# Altium PCB F407.PcbDoc (part 2 of 2)
Units mil, origin at the board's own origin, x right, y up, seen from the top; angles counter-clockwise.
Board outline 2695.03 x 3942.04 mil, 2 copper layers (Top Layer, Bottom Layer); 101 components, 150 nets, 633 pads, 413 vias.
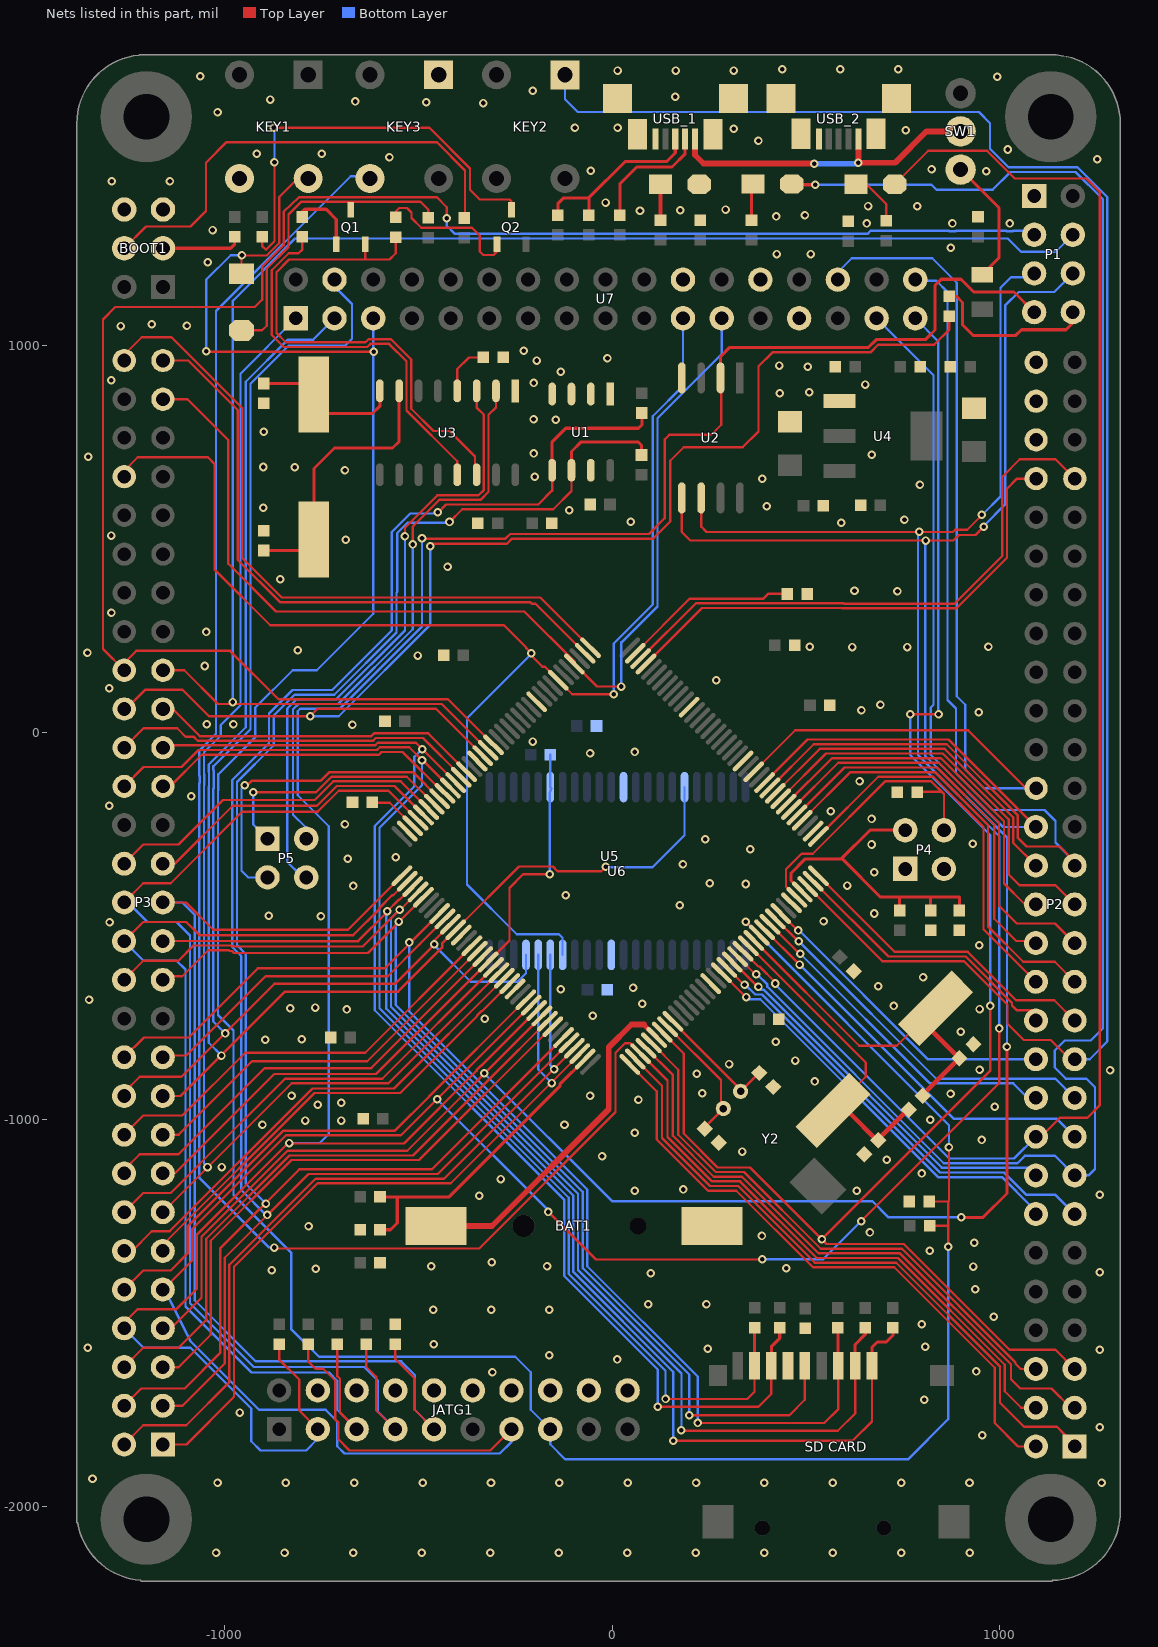
[diagram p2: the nets of this part, all layers, seen from the top]

## Via types
v1: diameter 22, hole 12, Top Layer to Bottom Layer, tented both sides, 413 vias

## Nets (pads, with @x,y where several pads share a name; then routed paths per layer and width w, separated by ;. In a path a pad name is that pad's centre, name@x,y a point inside that pad or via, vN(x,y) a via of type N, cw(c..) or ccw(c..) an arc to the next point about the centre after c; other vN are vias at no path point) (continued)
FSMC_D15: P3.52 U5.79 U6.38 U7.21 | length 3781.3
  Top Layer w6: P3.52@-1260,660 -1260,675 -1225,710 -1043.97,710 -1027,693.03 -1027,420.18 -882.82,276 -279.43,276 -222,218.57 -222,217.15 v1(-208.85,204) -208.85,197.97 -180.28,169.4 -174.26,169.4 U5.79@-139.27,134.41 -102.85,98 v1(4,98)
  Bottom Layer w6: P3.52@-1260,660 P3.52@-1260,671 ; v1(-208.85,204) -208.85,202.25 -374.83,36.28 -374.83,-393.26 -246.09,-522 -137,-522 -127.95,-531.05 U6.38@-127.95,-575 ; v1(4,98) 4,228.97 105,329.97 105,815.97 183,893.97 U7.21@183,1069
FSMC_NBL0: P3.2 U5.141 U6.39 | length 2063.2
  Top Layer w6: P3.2@-1260.43,-1839.58 -1210.85,-1790 -1100,-1790 -988.43,-1678.42 -988.43,-1375.45 -765.97,-1153 -434.34,-1153 U5.141@-97.51,-816.17
  Bottom Layer w6: U6.39@-159.45,-575 -159.45,-860.55 v1(-150,-870)
FSMC_NBL1: P3.1 U5.142 U6.40 | length 2038.3
  Top Layer w6: P3.1@-1160.43,-1839.58 -1099.57,-1839.58 -976.43,-1716.42 -976.43,-1380.42 -761,-1165 -416.72,-1165 -83.59,-831.87 U5.142@-83.59,-830.09
  Bottom Layer w6: U6.40@-190.94,-575 -190.94,-871.06 v1(-156,-906)
FSMC_NE3: P3.15 R10.1 U5.125 U6.6 | length 1713.4
  Top Layer w6: P3.15@-1160.43,-1139.57 -1129.57,-1139.57 -872.77,-882.77 -609.52,-882.77 U5.125@-320.22,-593.46 -265,-538.24 -265,-402 -230,-367 v1(-161,-367)
  Bottom Layer w6: v1(-161,-367) -161,-154.38 -158,-151.38 -160,-149.38 -156,-145.38 U6.6@-159.45,-141.93 U6.6@-159.45,-141.93 R10.1@-159.41,-58
FSMC_NE4: P3.13 U5.127 U7.1 | length 3418.9
  Top Layer w6: P3.13@-1160.43,-1239.58 -827.62,-906.77 -577.85,-906.77 U5.127@-292.38,-621.3
  Bottom Layer w6: v1(-1045,-1123) -1054,-1114 -1054,-136.25 -1053,-135.25 -1053,-108.75 -1054,-107.75 -1054,-51.95 -1011,-8.95 -1011,18.72 -960,69.72 -960,926 U7.1@-817,1069
FSMC_NOE: P3.20 U5.118 U6.41 U7.4 | length 3579
  Top Layer w6: P3.20@-1260.43,-939.57 -1260.43,-930.43 -1220,-890 -1112.34,-890 -872.34,-650 -561,-650 v1(-459,-548) -459,-537.37 U5.118@-417.66,-496.03
  Bottom Layer w6: v1(-999,-778) -1030,-747 -1030,-146.2 -1029,-145.2 -1029,-98.8 -1030,-97.8 -1030,-88.25 -934,7.75 -934,68.05 -934,900.03 -835.03,999 -689,999 -672,1016 -672,1106 -717,1151 U7.4@-717,1169 ; v1@-456,-553.63 -365.06,-644.57 -244.57,-644.57 -222.44,-622.44 U6.41@-222.44,-575
FSMC_NWE: P3.19 U5.119 U6.17 U7.3 | length 3866.9
  Top Layer w6: P3.19@-1160.43,-939.57 -1114.57,-939.57 -845,-670 -552.72,-670 -439,-556.28 -439,-545.97 -405.66,-512.63 -405.66,-512.31 -403.74,-510.39 U5.119@-403.74,-509.94 -240.79,-347 -152.72,-347 -140.72,-359 -28,-359 v1(-16,-347) -16,-344 v1@-17,-343
  Bottom Layer w6: v1(-1009,-835) -1042,-802 -1042,-141.23 -1041,-140.23 -1041,-103.77 -1042,-102.77 -1042,-83.28 -946,12.72 -946,905 -837,1014 -772,1014 U7.3@-717,1069 ; v1@-17,-343 -11,-349 104,-349 187.01,-265.99 U6.17@187.01,-141.93
GND: "SD CARD.6" BAT1.2 BOOT1.5 BOOT1.6 C1.1 C2.1 C3.1 C4.1 C5.1 C6.1 C7.2 C8.2 C9.2 C10.2 C11.2 C12.2 C13.1 C14.1 C15.1 C16.1 C17.1 C18.1 C19.2 C20.2 C21.1 C22.2 C23.2 C24.1 C25.1 C26.2 C27.2 C28.2 C29.2 C31.2 C32.2 C34.2 C35.2 C36.2 C37.2 C38.2 C39.2 C40.2 D2.2 JATG1.4 JATG1.6 JATG1.8 JATG1.10 JATG1.12 JATG1.14 JATG1.16 JATG1.18 JATG1.20 KEY1.3 KEY3.1 P1.1 P2.54 P2.56 P2.58 P4.1 P4.3 R24.1 R27.2 U1.1 U1.2 U1.3 U1.4 U1.7 U2.4 U3.1 U4.1 U5.16 U5.31 U5.38 U5.51 U5.61 U5.83 U5.94 U5.107 U5.120 U5.130 U6.12 U6.34 U7.22 U7.26 U7.27 USB_1.5 USB_2.5 | length 4
  Top Layer w6: C25.1@-670.59,-171.82 C25.1@-668.07,-174.34 ; U5.83@-195.39,78.74 U5.83@-194.94,78.74
  other v1: -1023,-2119 -846,-2119 -669,-2119 -492,-2119 -315,-2119 -138,-2119 39,-2119 216,-2119 393,-2119 570,-2119 747,-2119 924,-2119 -1019,-1938 -842.45,-1938 -665.91,-1938 -489.36,-1938 -312.82,-1938 -136.27,-1938 40.27,-1938 216.82,-1938 393.36,-1938 569.91,-1938 746.45,-1938 923,-1938 1264,-1938 -1342,-1928 956,-1816 1259,-1795 -962,-1757 806,-1724 -309,-1653 940,-1651 13,-1620 -162,-1609 1259,-1595 247,-1592 -1354,-1590 809,-1587 -461,-1581 800,-1529.41 986,-1510 -462,-1492 -312,-1492 -162,-1492 93.72,-1477.74 243.72,-1477.74 938,-1439 100,-1397 1259,-1395 -879,-1390 -765,-1386 450,-1384 933,-1380 -467,-1379 -168,-1379 -311,-1369 820,-1339 935,-1319 387,-1301 666,-1292 -784,-1276 -343,-1197 1259,-1195 58,-1184 632,-1184 184,-1181 -288,-1154 800,-1139.57 -1008,-1123 709,-1104 -26,-1095 336,-1083 955,-1053 58,-1034 -903,-1014 -123,-1014 -793,-1003 -700,-1003 822,-1001 988,-967 -760,-962 -700,-957 68,-949 -828,-939 -57,-939 874,-934 233,-932 523,-902 219,-882 1286,-873 949,-872 302,-857 473,-848 423,-799 -896,-794 -802,-793 900,-774 -329,-740 -50,-732 -685,-716 949,-715 -831,-713 -767,-711 727,-707 78,-701 -1351,-690.9 -133,-664 54,-660 687,-656 803,-633 948,-550 -1298,-491 546,-488 -752,-475 -887,-474 677,-468.19 175,-447 -120,-421 -669,-397 607,-396 345,-392 252,-390 677,-362 183,-341 -683,-327 -559,-323 357,-302 670,-290 931,-288 240.62,-276 -690,-238 670,-224 565,-204 -1299,-190 -1087,-165 639,-127 -57,-54 58,-51 -205,-24 -670.59,19 -1047,21 -978,21 947,52 644,57 693,71 -1299,114 269,134 -1052,171 -502,198 -1355,205 -812,212 620,220 762,220 510,221 972,221 -1048,259 -1293,309 737,364 626,365 -857,395 -425,427 -688,497 -1294,508 592,541 48,544 755,549 -111,573 -901,580 399,584 795,639 387.52,655 -200,660 -690,676.57 -820,684 -901,685 -1353,711 670.98,717 -202,720 -900,776 -146,807 -203,808 433,875.59 509,878 654,898 -202,902 -1294,909 -133,931 505,944 432,947 -194.94,960 -12,966 -228.54,985 -1269,1049 -1098,1050 -1189,1054 -1044,1214 425,1235 513,1235 875,1251 -1032,1297 658,1314 879,1314 1027,1314 424,1332 498,1335 72,1347 176,1348 293,1350 788,1358 661,1359 -17,1368 -1292,1423 -1142,1423 966,1449 -55,1450 825,1454 1253,1480 -575,1485 -918,1494 -750,1494 1022,1505 378,1528 758,1555 314,1559 -96,1561 14,1561 -1019,1601 -333,1625 -480,1627 -663,1629 -883,1634 163,1641 -205,1657 995,1693 -1064,1694 14,1709 164,1709 314,1709 439,1712 589,1712 739,1712
IIC_SCL: P3.4 R1.1 U1.6 U5.139 | length 4499.2
  Top Layer w6: P3.4@-1260.43,-1739.58 -1215.85,-1695 -1104,-1695 -1012.43,-1603.42 -1012.43,-1333.42 -808,-1129 -466.01,-1129 U5.139@-125.35,-788.33 ; v1(-420,543) -387,576 -152,576 -105,623 U1.6@-105,676.57
  Top Layer w8: U1.6@-105,676.57 -105,725 -80,750 67,750 76,741 R1.1@76,716
  Bottom Layer w6: v1(-894,-1218) -946,-1166 -946,-572.77 -969,-549.77 -969,-128.72 -874,-33.72 -874,43.2 -820.2,97 -717.8,97 -557,257.8 -557,360.2 -555,362.2 -555,514.28 -528.28,541 -422,541 v1(-420,543)
IIC_SDA: P3.3 R2.1 U1.5 U5.140 | length 4508.8
  Top Layer w6: P3.3@-1160.43,-1739.58 -1109.57,-1739.58 -1000.43,-1630.42 -1000.43,-1357.42 -784,-1141 -450.18,-1141 U5.140@-111.43,-802.25 ; P3.3@-1141.53,-1733.47 P3.3@-1141.53,-1721.53 ; v1(-450,568) -450,567 -429,588 -191,588 -155,624 U1.5@-155,676.57
  Top Layer w8: U1.5@-155,676.57 -155,750 -120,785 68,785 77,794 R2.1@77,824.41
  Bottom Layer w6: v1(-891,-1246.72) -893.57,-1246.72 -958,-1182.28 -958,-577.75 -981,-554.75 -981,-123.75 -886,-28.75 -886,48.17 -825.17,109 -722.77,109 -569,262.77 -569,517.25 -521.25,565 -453,565 v1(-450,568)
J_TCK: JATG1.9 P3.29 R27.1 U5.109 | length 2864.8
  Top Layer w6: P3.29@-1160.43,-439.57 -1100.43,-439.57 -1030,-510 -682.18,-510 U5.109@-542.93,-370.75 ; R27.1@-560,-1580.59 -560,-1619 -510,-1669 -510,-1750 JATG1.9@-460,-1800
  Bottom Layer w6: P3.29@-1160.43,-439.57 -1110.43,-439.57 -1078,-472 -1078,-1467.2 -920.2,-1625 -545,-1625 -510,-1660 -510,-1750 JATG1.9@-460,-1800
J_TDI: JATG1.5 P3.28 R19.2 U5.110 | length 2741.7
  Top Layer w6: P3.28@-1260.43,-539.57 -1210.85,-490 -1100,-490 -1066,-524 -668.34,-524 -601,-456.66 -601,-453.72 -568.28,-421 -565.34,-421 U5.110@-529.01,-384.67 ; R19.2@-710,-1580.59 -710,-1663.03 -703,-1670.03 -703,-1757 JATG1.5@-660,-1800
  Bottom Layer w6: P3.28@-1260.43,-539.57 -1210,-590 -1125,-590 -1102,-613 -1102,-1483 -931.43,-1653.58 -731.43,-1653.58 -710,-1675 -710,-1750 JATG1.5@-660,-1800
J_TDO: JATG1.13 P1.5 P3.9 R17.2 U2.6 U5.133 | length 8180.8
  Top Layer w6: P3.9@-1160.43,-1425 P3.9@-1160.43,-1439.58 -1160.43,-1440.42 -1084.43,-1364.42 -1084.43,-1283.14 -842.28,-1041 -545.05,-1041 v1(-452,-947.95) U5.133@-208.86,-704.82 ; R17.2@-785,-1580.59 -785,-1625 -766,-1644 -746,-1644 -715,-1675 -715,-1775 -707,-1783 -707,-1826 -678,-1855 -315,-1855 JATG1.13@-260,-1800 ; v1(-164.63,-1238.99) -41.62,-1362 386.52,-1362 v1(387.52,-1361) ; U2.6@230,605 230,531 244,517 880,517 886,523 917,523 v1@957,563 ; v1(643,-1263) 999.83,-906.17 v1(999.83,-765.17)
  Bottom Layer w6: P3.9@-1160.43,-1439.58 -1148,-1452 P3.9@-1148.99,-1452.99 ; v1(-452,-947.95) -165.95,-1234 -165.95,-1247.05 v1@-164.63,-1245.73 ; JATG1.13@-260,-1800 -260,-1833 -290,-1863 -691,-1863 -710,-1844 -710,-1780 -740,-1750 -912,-1750 -1088.96,-1573.04 P3.9@-1148.99,-1452.99 ; v1(387.52,-1361) 545,-1361 v1(643,-1263) ; v1(793,518) 790,515 790,-58.88 999.83,-268.71 v1(999.83,-765.17) ; v1@957,563 1003,609 1003,1148 1030,1175 1080,1175 P1.5@1090,1185 ; P3.9@-1148.99,-1452.99 -1162,-1466 P3.9@-1148.99,-1452.99
  other v1: 955,562
J_TMS: JATG1.7 P3.30 R18.2 U5.105 | length 3028.2
  Top Layer w6: P3.30@-1260.43,-439.57 -1210.85,-390 -1140,-390 -955,-205 -760.03,-205 -706.03,-151 -577.66,-151 U5.105@-501.17,-227.49 ; R18.2@-635,-1580.59 -635,-1639 -609,-1665 -609,-1751 JATG1.7@-560,-1800
  Bottom Layer w6: P3.30@-1260.43,-439.57 -1250.43,-439.57 -1200,-490 -1125,-490 -1090,-525 -1090,-1475 -925.43,-1639.58 -640.43,-1639.58 -605,-1675 -605,-1755 JATG1.7@-560,-1800
J_TRST: JATG1.3 P1.7 P3.8 R20.2 U2.2 U5.134 | length 6562.5
  Top Layer w6: P3.8@-1260.43,-1539.58 -1260.43,-1525.42 -1225,-1490 -1125,-1490 -1072.43,-1437.42 -1072.43,-1297.42 v1@-835.5,-1060.5 ; R20.2@-860,-1580.59 -860,-1620 -808,-1672 -808,-1752 JATG1.3@-760,-1800 JATG1.3@-760,-1775 ; v1@-834,-1062 -537.76,-1062 -350,-874.24 -350,-872.72 -338.28,-861 -337.21,-861 U5.134@-194.94,-718.74 ; v1(-491,501) -490,500 -275.25,500 -263.25,512 95,512 136,553 136,756.28 147.72,768 256,768 282,794 282,913 U2.2@280,915
  Top Layer w8: U2.2@280,915 280,970 304,994 662,994 682,1014 809,1014 834,1039 834,1154 850,1170 901,1170 934,1137 1038,1137 P1.7@1090,1085
  Bottom Layer w6: P3.8@-1260.43,-1539.58 -1210,-1590 -1088.97,-1590 -932,-1746.97 -932,-1831 -908,-1855 -790,-1855 -760,-1825 JATG1.3@-760,-1800 ; v1(-834,-1061) -755,-1061 -732,-1038 -732,-243 -812,-163 -812,54.28 -805.28,61 -702.89,61 -491,272.89 v1(-491,501)
KEY0: KEY3.3 P2.4 U5.3 | length 5884.8
  Top Layer w6: v1(-873,-1331) -870.79,-1333.21 -343.21,-1333.21 8.97,-981.03 8.97,-828.03 34,-803 46.5,-803 U5.3@73.59,-830.09 143,-899.5 143,-1045.37 257.63,-1160 330.63,-1160 528.63,-1358 738.54,-1358 1014,-1633.46 1014,-1702 1056.57,-1744.58 P2.4@1094.57,-1744.58 P2.4@1094.57,-1722.63
  Bottom Layer w6: v1(-873,-1331) -886,-1331 -1066,-1151 -1066,-131.28 -1065,-130.28 -1065,-113.72 -1066,-112.72 -1066,-46.98 -1023,-3.98 -1023,1088 -675,1436 -630.88,1436 KEY3.3@-625.17,1430.28
KEY1: P2.1 U5.2 | length 1700.6
  Top Layer w6: U5.2@59.67,-844.01 129,-913.34 129,-1048.34 252.66,-1172 325.66,-1172 523.66,-1370 733.57,-1370 1002,-1638.43 1002,-1732 1064,-1794 1149,-1794 1170,-1815 1170,-1844.58 P2.1@1194.57,-1844.58
KEY2: P2.2 U5.1 | length 1613.8
  Top Layer w6: U5.1@45.75,-857.93 115,-927.18 115,-1051.31 247.69,-1184 320.69,-1184 518.69,-1382 728.6,-1382 988,-1641.4 988,-1784 1048.57,-1844.58 P2.2@1094.57,-1844.58
LCD_BL: P3.55 U5.76 U7.23 | length 2745.1
  Top Layer w6: P3.55@-1160,860 -1097,860 -991,754 -991,435.09 -867.91,312 -226.72,312 -97.51,182.79 U5.76@-97.51,176.17 -39.34,118 v1(24,118) 26,118 27,117 v1@26,116
  Bottom Layer w6: v1(24,118) 24,232 117,325 117,811 283,977 U7.23@283,1069
LED0: DS1.2 P2.15 U5.21 | length 4704
  Top Layer w6: U5.21@324.14,-579.54 365.9,-621.3 367.2,-620 v1@368,-620
  Top Layer w8: DS1.2@475,1415 476,1414 v1(525,1414)
  Bottom Layer w6: v1@368,-621 v1(372,-625) 374.28,-625 401,-651.72 401,-657.28 856.72,-1113 1047,-1113 1066,-1094 1144,-1094 P2.15@1194.57,-1144.58 1230.43,-1144.58 1247,-1128 1247,-917 1225,-895 1172,-895 1143,-866 1143,-822 1169,-796 1236,-796 1267,-765 1267,1377.03 1197.03,1447 1028.79,1447 982.79,1401 838,1401 825,1414 v1(525,1414) ; v1@368,-620 v1@373,-620
LED1: DS2.2 P2.18 U5.22 | length 4174.9
  Top Layer w6: U5.22@341.91,-565.62 U5.22@338.06,-565.62 337.91,-565.62 377.28,-605 380.28,-605 421.14,-645.86 v1@421.14,-648.86 ; DS2.2@730,1415 816.52,1501.52 968.48,1501.52 1040,1430 1225,1430 1259,1396 1259,-964.23 1227.23,-996 1156,-996 1107.43,-1044.57 P2.18@1094.57,-1044.57
  Bottom Layer w6: v1@419.99,-650.01 419.99,-650.27 870.72,-1101 1038.15,-1101 P2.18@1094.57,-1044.57
  other v1: 421,-649
NetBOOT1_3: BOOT1.3 R28.2 | length 208.4
  Top Layer w8: BOOT1.3@-1160,1250 -985.32,1250 -975,1260.32 R28.2@-975,1279.41
NetBOOT1_4: BOOT1.4 R29.1 | length 1219.9
  Top Layer w6: BOOT1.4@-1260,1250 -1204,1306 -1089,1306 -1049,1346 -1049,1471 -996,1524 -453.09,1524 -380,1450.91 R29.1@-380,1328
NetC4_2: C4.2 U3.4 | length 136.1
  Top Layer w6: U3.4@-400,881.69 -400,938 -370,968 C4.2@-332.59,968
NetC7_1: C7.1 U3.8 Y1.2 | length 290
  Top Layer w8: C7.1@-900,900.59 Y1.2@-798.59,900.59 ; Y1.2@-741,823 -619,823 -600,842 U3.8@-600,881.69
NetC8_1: C8.1 U3.7 Y1.1 | length 709.5
  Top Layer w8: C8.1@-905,469.41 C8.1@-900,469.41 -798.59,469.41 Y1.1@-770,497.99 -770,681 -717,734 -567,734 -550,751 U3.7@-550,881.69
NetC24_2: C24.2 U5.71 | length 465.9
  Top Layer w6: U5.71@59.67,204.01 200.66,345 391,345 404,358 C24.2@452.41,358 ; C24.2@441,366 C24.2@450.41,366
NetC25_2: C25.2 U5.106 | length 133.7
  Top Layer w6: C25.2@-620,-171.81 -609.81,-182 -574.5,-182 U5.106@-515.09,-241.41
NetD1_2: D1.2 Q1.3 R3.2 | length 805
  Top Layer w6: D1.2@-957,1037.97 -904.03,1037.97 -892,1050 -892,1197.09 -835.87,1253.22 -835.87,1337.44 -803.57,1369.74 -675,1369.74 Q1.3@-675,1349.29 ; -675,1369.88 -494.85,1369.88 -475,1350.03 R3.2@-475,1328.59
NetD2_1: D2.1 R8.1 | length 92.4
  Top Layer w10: R8.1@125,1322.59 D2.1@125,1415
NetDS1_1: DS1.1 R7.1 | length 89
  Top Layer w8: R7.1@360,1324 DS1.1@360,1413
NetDS2_1: DS2.1 R9.1 | length 142.5
  Top Layer w6: DS2.1@630,1415 657,1415 708,1364 R9.1@708,1320.59
NetF1_1: F1.1 SW1.3 | length 354
  Top Layer w8: SW1.3@883,1436.15 SW1.3@900,1453.15 999,1354.15 999,1225 F1.1@956,1182
NetP1_8: P1.8 R31.2 | length 435.9
  Top Layer w8: R31.2@871,1125.59 889.41,1125.59 905,1110 905,1052 932,1025 1042.7,1025 1057.2,1039.5 1172.45,1039.5 1190,1057.05 P1.8@1190,1085
NetQ1_1: Q1.1 R4.2 | length 179
  Top Layer w8: R4.2@-800,1330.59 -800,1344 -793.41,1350.59 -738.59,1350.59 -712.4,1324.4 Q1.1@-712.4,1260
NetQ1_2: Q1.2 R5.1 U3.14 | length 1333.1
  Top Layer w6: Q1.2@-637.6,1260 -637.6,1221 ; R5.1@-559,1278.41 -559,1237 -575,1221 -637.6,1221 ; U3.14@-354,671 -354,712 -420,778 -461.15,778 -518.84,835.69 -518.84,962.84 -571,1015 -629.25,1015 -637.25,1007 -843.03,1007 -867,1030.97 -867,1188.15 -834.15,1221 -637.6,1221
NetQ2_1: Q2.1 R5.2 | length 385.3
  Top Layer w6: R5.2@-559,1329.59 -559,1345 -550,1354 -530,1354 -518,1342 -518,1328.28 -492.72,1303 -362,1303 -342,1283 -342,1241.86 -332.74,1232.6 -306.3,1232.6 -297.4,1241.5 Q2.1@-297.4,1260
NetQ2_3: Q2.3 R6.1 | length 1109.3
  Top Layer w6: R6.1@-904,1279.41 -904,1256 -894,1246 -872,1268 -872,1330.59 -872.07,1330.66 -872.07,1471.93 v1(-872,1472) ; v1(-874,1561) -471.71,1561 -367,1456.29 -367,1401 -342,1376 -265,1376 -260,1371 Q2.3@-260,1349.29
  Bottom Layer w6: v1(-874,1561) -872,1559 v1(-872,1472)
NetR4_1: R4.1 U3.13 | length 1030.9
  Top Layer w6: R4.1@-800,1279.41 -800,1247 -810,1237 -835.12,1237 -879,1193.12 -879,1026 -848,995 -632.28,995 -624.28,1003 -575.97,1003 -530.84,957.87 -530.84,830.72 -400,699.88 U3.13@-400,665
NetR22_1: R22.1 R26.2 USB_1.3 | length 487.1
  Top Layer w8: R22.1@-140,1325.59 R22.1@-140,1335.59 -140,1365 -125,1380 -60,1380 ; R26.2@-60,1325.59 R26.2@-60,1335.59 -60,1380 ; USB_1.3@163,1532 163,1496 141,1474 34,1474 -60,1380
NetR23_2: R23.2 R24.2 U5.143 | length 799.5
  Top Layer w8: R24.2@-599.41,-1285 -572.57,-1285 -555,-1267.42 -555,-1200 ; R23.2@-599.41,-1200 -555,-1200 ; U5.143@-69.67,-844.01 -135,-909.34 -135,-914.7 -420.3,-1200 -555,-1200
NetR25_2: R25.2 USB_1.2 | length 329.4
  Top Layer w8: R25.2@20,1325.59 R25.2@20,1335.59 20,1416 64,1460 154.8,1460 188.5,1493.7 USB_1.2@188.5,1532
NRF_CE: P1.3 P3.42 U5.91 | length 4727.3
  Top Layer w6: v1(-427,1327) -427,1356 -453.03,1382.03 -808.26,1382.03 -808.4,1381.88 -808.87,1381.88 -847.94,1344.69 -848,1342.28 -848,1258.06 -904,1202.06 -904,1117 -923,1098 -1283,1098 -1315,1066 -1315,215 P3.42@-1260,160 -1260,179.01 -1229.01,210 -986.53,210 -861.53,85 -423.92,85 U5.91@-306.3,-32.62
  Bottom Layer w6: v1(-427,1327) -427,1308 -406,1287 659.28,1287 667.28,1295 869.72,1295 870.72,1294 887.28,1294 888.28,1295 1017.72,1295 1018.72,1294 1035.28,1294 1036.28,1295 1080,1295 P1.3@1090,1285
NRF_CS: P1.4 P3.41 U5.92 | length 4230.3
  Top Layer w6: P3.41@-1160,160 -1105,160 -1018,73 -439.76,73 U5.92@-320.22,-46.54
  Bottom Layer w6: v1(-980,78) -980,1114.03 -819.03,1275 1022,1275 1056,1241 1146,1241 P1.4@1190,1285
NRF_IRQ: P3.40 R31.1 U5.93 | length 3460.4
  Top Layer w6: P3.40@-1260,60 -1260,76.57 -1238.43,76.57 -1205,110 -1110,110 -1041,41 v1(-780,41) -760,61 -455.6,61 U5.93@-334.14,-60.46 ; v1(-470,480) -463,487 -271.28,487 -258.28,500 105.97,500 150,544.03 150,701 185,736 337,736 378,777 378,945 414,981 667.38,981 687.38,1001 831.84,1001 871,1040.16 871,1067.4 R31.1@878,1074.41
  Bottom Layer w6: v1(-780,41) -780,45 -776,41 -705.92,41 -470,276.92 v1(-470,480)
PA0: KEY2.1 P2.21 U5.34 | length 4794.9
  Top Layer w6: U5.34@505.09,-398.59 697.68,-591.18 908.18,-591.18 1021,-704 1021,-753 1063,-795 1133,-795 1182.57,-844.57 P2.21@1194.57,-844.57
  Bottom Layer w6: KEY2.1@-121.78,1698.22 -121.78,1634.64 -88.77,1601.63 947.37,1601.63 976,1573 976,1507 1024,1459 1202,1459 1279,1382 1279,-799 1233.43,-844.57 P2.21@1194.57,-844.57
PA1: P2.24 U5.35 | length 744.5
  Top Layer w6: U5.35@519.01,-384.67 713.52,-579.18 913.15,-579.18 1033,-699.03 1033,-706 1044.68,-717.68 1091.56,-717.68 P2.24@1091.56,-747.59
PA2: P2.23 U5.36 | length 816.5
  Top Layer w6: U5.36@532.93,-370.75 729.36,-567.18 918.12,-567.18 1042.94,-692 1142,-692 P2.23@1194.57,-744.57
PA3: P2.26 U5.37 | length 999.7
  Top Layer w6: U5.37@532.93,-269.25 687.18,-115 829.24,-115 959,-244.76 959,-509 P2.26@1094.57,-644.57
PA4: P2.25 U5.40 | length 1132.9
  Top Layer w6: U5.40@491.17,-227.49 615.66,-103 834.21,-103 971,-239.79 971,-502 1062,-593 1143,-593 P2.25@1194.57,-644.57
PA5: P2.28 U5.41 | length 1002.7
  Top Layer w6: U5.41@477.25,-213.57 599.82,-91 839.18,-91 987,-238.82 987,-482 1044,-539 1080,-539 P2.28@1095,-554
PA6: P2.27 U5.42 | length 1099.5
  Top Layer w6: U5.42@463.33,-199.65 583.99,-79 844.15,-79 999,-233.85 999,-448 1045,-494 1144,-494 P2.27@1194.57,-544.57
PA7: P2.30 U5.43 | length 945.1
  Top Layer w6: U5.43@449.41,-185.73 568.15,-67 849.12,-67 1012,-229.88 1012,-391 1065.57,-444.57 P2.30@1094.57,-444.57
PA8: P3.35 U5.100 | length 809.6
  Top Layer w6: P3.35@-1160,-140 -1142,-140 -1060,-58 -602.28,-58 -595.28,-51 -541.28,-51 -434.39,-157.89 U5.100@-431.57,-157.89
PA9: P5.3 U5.101 | length 853.9
  Top Layer w6: v1(-949,-137) -949,-143.7 -930.3,-125 -751.94,-125 -729.94,-103 -514.31,-103 U5.101@-445.49,-171.81
  Bottom Layer w6: v1(-949,-137) -957,-145 -957,-358 -940,-375 P5.3@-890,-375
PA10: P5.1 U5.102 | length 648.8
  Top Layer w6: v1(-927,-155) -764.97,-155 -724.97,-115 -530.15,-115 U5.102@-459.41,-185.73
  Bottom Layer w6: v1(-927,-155) -927,-238 P5.1@-890,-275
PA11: P3.32 U5.103 | length 905.2
  Top Layer w6: P3.32@-1260.43,-339.57 -1210.85,-290 -1120,-290 -1005,-175 -768,-175 -720,-127 -545.99,-127 U5.103@-473.33,-199.65
PA12: P3.31 U5.104 | length 800.4
  Top Layer w6: P3.31@-1160.43,-339.57 -1160.43,-330.43 -1150.85,-340 -1130,-340 -980,-190 -762,-190 -711,-139 -561.82,-139 U5.104@-487.25,-213.57
PB0: P2.31 U5.46 U7.34 | length 2800.5
  Top Layer w6: U5.46@407.66,-143.97 520.63,-31 864.03,-31 1048,-214.97 1048,-273 1070,-295 1156,-295 1194.57,-333.57 P2.31@1194.57,-344.57
  Bottom Layer w6: U7.34@783,1169 786,1166 837,1166 866,1137 866,83 888,61 888,-105.97 983.03,-201 1117.06,-201 1145,-228.94 1145,-285 P2.31@1194.57,-334.57 ; P2.31@1194.57,-344.57 P2.31@1194.57,-334.57 ; P2.31@1194.57,-330.57 P2.31@1194.57,-334.57
PB1: P2.34 U5.47 U7.31 | length 2379.9
  Top Layer w6: U5.47@393.74,-130.06 504.79,-19 869,-19 P2.34@1094.57,-244.57
  Bottom Layer w6: U7.31@683,1069 830,922 830,71 823,64 823,-57.94 1009.63,-244.57 P2.34@1094.57,-244.57
PB5: P1.6 P3.7 U2.5 U5.135 | length 6405.4
  Top Layer w6: P3.7@-1160.43,-1539.58 -1139.57,-1539.58 -1060.43,-1460.42 -1060.43,-1303.23 -838.2,-1081 -529.37,-1081 U5.135@-181.03,-732.66 ; U2.5@180,605 180,517 202,495 v1(810,495) 881.05,495 895.55,509.5 938.5,509.5 v1(960,531)
  Top Layer w8: v1(902,-1253) 958,-1253 1019.83,-1191.17 v1(1019.83,-812.17)
  Bottom Layer w6: v1(-330,-881) -330,-881.3 -0.3,-1211 671.83,-1211 713.83,-1253 v1(902,-1253) ; v1(810,495) 809,494 809,-60.91 1019.83,-271.74 v1(1019.83,-812.17) ; v1(960,531) 959,532 1015,588 1015,1102 1050,1137 1142,1137 P1.6@1190,1185
PB6: P3.6 U5.136 | length 1586.6
  Top Layer w6: P3.6@-1260.43,-1639.58 -1210.85,-1590 -1120,-1590 -1048.43,-1518.42 -1048.43,-1308.2 -833.23,-1093 -514.09,-1093 -322.09,-901 -321.72,-901 -310,-889.28 -310,-888.91 -167.66,-746.57 U5.136@-167.11,-746.57
PB7: P3.5 U5.137 | length 1527.2
  Top Layer w6: P3.5@-1160.43,-1639.58 -1160.43,-1630.42 -1150.85,-1640 -1120,-1640 -1036.43,-1556.42 -1036.43,-1313.17 -828.25,-1105 -498.95,-1105 -154.45,-760.49 U5.137@-153.19,-760.49
PB10: P2.52 U5.69 | length 1311.1
  Top Layer w6: U5.69@87.51,176.17 232.33,321 592.75,321 593.75,320 889.25,320 1020,450.75 1020,629 1046,655 P2.52@1095,655
PB11: P2.51 U5.70 | length 1475.9
  Top Layer w6: U5.70@73.59,190.09 216.49,333 597.72,333 598.72,332 884.28,332 1008,455.72 1008,659.97 1053.03,705 1145,705 P2.51@1195,655
PB12: P3.58 U5.73 | length 1796.8
  Top Layer w6: P3.58@-1260,960 -1260,975 -1215,1020 -1138,1020 -955,837 -955,450 -853,348 -185.82,348 U5.73@-55.75,217.93
PB13: P3.57 U5.74 | length 1630.2
  Top Layer w6: P3.57@-1160,960 -1094.97,960 -967,832.03 -967,445.03 -857.97,336 -211.25,336 -207.25,332 -197.66,332 U5.74@-69.67,204.01
PC0: P2.17 U5.26 | length 1022.3
  Top Layer w6: U5.26@393.74,-509.94 393.74,-510.02 483.72,-600 v1(484,-600)
  Bottom Layer w6: v1(484,-600) 882,-998 1148,-998 P2.17@1194.57,-1044.57
PC1: P2.20 U5.27 | length 872.7
  Top Layer w6: U5.27@407.66,-496.03 483.63,-572 v1(486,-572)
  Bottom Layer w6: v1(486,-572) 821,-907 1036,-907 1072.99,-943.99 1073.57,-944.57 P2.20@1094.57,-944.57
PC2: P2.19 U5.28 | length 964.2
  Top Layer w6: U5.28@421.57,-482.11 422.39,-482.11 v1@481.14,-540.86
  Bottom Layer w6: v1(482,-540) 494,-552 494.28,-552 506,-563.72 506,-564 837,-895 1145,-895 P2.19@1194.57,-944.57
PC3: P2.22 U5.29 | length 822.1
  Top Layer w6: U5.29@435.49,-468.19 479.31,-512 v1(481,-512)
  Bottom Layer w6: v1@482,-511 816,-845 1076.57,-845 P2.22@1094.57,-827
PC4: P2.29 U5.44 | length 1052.1
  Top Layer w6: U5.44@435.49,-171.81 552.31,-55 854.09,-55 1024,-224.91 1024,-367 1052,-395 1145,-395 P2.29@1194.57,-444.57
PC5: P2.32 U5.45 | length 884.2
  Top Layer w6: U5.45@421.57,-157.89 536.47,-43 859.06,-43 1036,-219.94 1036,-286 P2.32@1094.57,-344.57
PC6: P3.39 U5.96 | length 857.1
  Top Layer w6: P3.39@-1160,60 -1135,60 -1065,-10 -622.17,-10 -615.17,-3 -475.11,-3 U5.96@-375.9,-102.22
PC7: P3.38 U5.97 | length 950.3
  Top Layer w6: P3.38@-1260,-40 -1210,10 -1123,10 -1101,-12 -1079.97,-12 -1069.97,-22 -617.2,-22 -610.2,-15 -488.72,-15 -389.82,-113.9 U5.97@-389.82,-116.14
PC8: "SD CARD.7" P3.37 R12.1 U5.98 | length 3352.5
  Top Layer w6: P3.37@-1160,-40 -1150,-50 -1134,-34 -612.23,-34 -605.23,-27 -506.79,-27 v1@-490,-43.79 ; v1(-490,-44) v1@-490,-43.79 ; U5.98@-403.74,-130.06 v1@-490,-43.79 ; v1(118,-1742) 378,-1742 411.14,-1708.86 411.14,-1636.61
  Top Layer w8: 411.14,-1636.61 411.14,-1586.86 433,-1565 R12.1@433,-1537.59
  Bottom Layer w6: v1(-490,-44) -491.28,-44 -511,-63.72 -511,-140.03 -613,-242.03 -613,-718.11 -124,-1207.11 -124,-1404 118,-1646 v1(118,-1742)
PC9: "SD CARD.8" P3.36 R11.1 U5.99 | length 3335.6
  Top Layer w6: P3.36@-1260,-140 -1210,-90 -1112,-90 -1068,-46 -607.25,-46 -600.25,-39 -524,-39 v1(-491,-72) -491,-70.63 U5.99@-417.66,-143.97 ; v1(138,-1722) 349,-1722 367.83,-1703.17 367.83,-1636.61
  Top Layer w8: R11.1@365,-1537.59 367.83,-1540.43 367.83,-1636.61
  Bottom Layer w6: v1(-491,-72) -491,-137 -601,-247 -601,-713.14 -112,-1202.14 -112,-1399.03 138,-1649.03 v1(138,-1722)
PC10: "SD CARD.1" P3.27 R15.1 U5.111 | length 3192.6
  Top Layer w6: P3.27@-1160.43,-539.57 -1159.85,-539 -979.77,-539 -979.2,-539.57 -656.08,-539.57 -580.78,-464.28 -580.78,-462.22 -551.57,-433 -549.5,-433 U5.111@-515.09,-398.59 ; v1(158,-1830) 621,-1830 670.98,-1780.02 670.98,-1636.61
  Top Layer w8: 670.98,-1636.61 670.98,-1589.02 685,-1575 708,-1575 725,-1558 R15.1@725,-1538.12
  Bottom Layer w6: v1(-581,-462) -583,-464 -583,-714.17 -100,-1197.17 -100,-1394.06 158,-1652.06 v1(158,-1830)
PC11: "SD CARD.2" P3.26 R14.1 U5.112 | length 3223
  Top Layer w6: P3.26@-1260.43,-639.57 -1210.85,-590 -1120,-590 -1081,-551 -984.75,-551 -982.75,-553 -976.75,-553 -976.17,-553.57 -643.86,-553.57 v1(-549,-458.72) -547.38,-458.72 U5.112@-501.17,-412.51 ; v1@181,-1804 583,-1804 627.68,-1759.32 627.68,-1636.61
  Top Layer w8: 627.68,-1636.61 627.68,-1581.2 654,-1554.88 R14.1@654,-1538.12
  Bottom Layer w6: v1@-544.5,-454.5 -544.78,-454.5 v1(-549,-458.72) -571,-480.72 -571,-709.2 -88,-1192.2 -88,-1389.09 179,-1656.09 v1(179,-1803)
PC12: "SD CARD.5" P3.25 U5.113 | length 2762.4
  Top Layer w6: P3.25@-1160.43,-639.57 -1150.85,-630 -1110,-630 -1043,-563 -989.72,-563 -987.72,-565 -981.72,-565 -976.72,-570 -630.82,-570 U5.113@-487.25,-426.43 ; v1(199,-1764) 458,-1764 497.76,-1724.24 497.76,-1636.61
  Bottom Layer w6: v1(-551,-489) -559,-497 -559,-704.23 -76,-1187.23 -76,-1384.12 199,-1659.12 v1(199,-1764)
PC13: P2.5 U5.7 U7.33 | length 4306.3
  Top Layer w6: U5.7@129.27,-774.41 185,-830.15 185,-1036.46 272.54,-1124 355.85,-1124 553.85,-1322 753.46,-1322 1026.46,-1595 1145,-1595 P2.5@1194.57,-1644.58 ; v1(541.93,-1309.07) 830,-1021 830.28,-1021 842,-1009.28 842,-1009 977,-874 v1(977,-707) ; v1(770,46) v1(843,46) 846,46 v1@849,43
  Bottom Layer w6: v1(770,46) 770,-59 977,-266 v1(977,-707) ; U7.33@783,1069 842,1010 842,50 v1@846,46 ; P2.5@1185.43,-1644.58 P2.5@1194.57,-1644.58
PC14: C19.1 U5.8 Y2.1 | length 338.8
  Top Layer w6: U5.8@143.19,-760.49 281,-898.31 Y2.1@281,-978.54 ; C19.1@237.38,-1022.16 Y2.1@276,-983.54
  Top Layer w8: Y2.1@281,-978.54 Y2.1@287.39,-972.16
PC15: C20.1 U5.9 Y2.2 | length 354.4
  Top Layer w6: U5.9@157.11,-746.57 157.11,-748.39 327.62,-918.91 331.77,-918.91 Y2.2@331.77,-927.46 340.32,-918.91 340.62,-918.61 377.98,-881.25 C20.1@377.98,-877.76
  Top Layer w8: Y2.2@331.25,-918.93 331.38,-918.92 331.77,-918.91 339.91,-918.53 340.32,-918.91 346.93,-924.93 340.62,-918.61 Y2.2@339.11,-917.11 ; Y2.2@332.29,-926.96 Y2.2@332.77,-927.46
PD2: "SD CARD.3" P3.22 R13.1 U5.116 | length 3106.9
  Top Layer w6: P3.22@-1260.43,-839.57 -1209.18,-788.33 -1093.33,-788.33 -915,-610 -587.31,-610 U5.116@-445.49,-468.19 ; v1(221,-1784) 548,-1784 584.37,-1747.63 584.37,-1636.61
  Top Layer w8: R13.1@583,-1538.12 583,-1635.24 584.37,-1636.61
  Bottom Layer w6: v1(-524,-543) -524,-721 -64,-1181 -64,-1379.15 221,-1664.15 v1(221,-1784)
PD3: P3.21 U5.117 | length 877
  Top Layer w6: P3.21@-1160.43,-839.57 -1155.85,-835 -1100,-835 -895,-630 -579.72,-630 -497,-547.28 -497,-547.09 -432.02,-482.11 U5.117@-431.57,-482.11
PD6: P3.18 U5.122 | length 1100.8
  Top Layer w6: P3.18@-1260.43,-1039.57 -1210.85,-990 -1110,-990 -947.65,-827.65 -637.48,-827.65 -361.98,-552.15 U5.122@-361.98,-551.7
PD7: P3.17 U5.123 | length 1008.7
  Top Layer w6: P3.17@-1160.43,-1039.57 -1119.57,-1039.57 -930,-850 -632.44,-850 U5.123@-348.06,-565.62
PE5: P2.3 U5.4 | length 1606
  Top Layer w6: U5.4@87.51,-816.17 157,-885.66 157,-1042.4 262.6,-1148 335.6,-1148 533.6,-1346 743.51,-1346 1030,-1632.49 1030,-1671 1054,-1695 1135,-1695 1184.57,-1744.58 P2.3@1194.57,-1744.58
PE6: P2.6 U5.5 | length 1442.3
  Top Layer w6: U5.5@101.43,-802.25 171,-871.82 171,-1039.43 267.57,-1136 340.57,-1136 538.57,-1334 748.49,-1334 1042,-1627.51 1042,-1631 1055.57,-1644.58 P2.6@1094.57,-1644.58
PF6: P2.14 U5.18 | length 1089.1
  Top Layer w6: U5.18@282.38,-621.3 345.08,-684 v1(346,-684)
  Bottom Layer w6: v1@342,-680 v1(346,-684) 351.53,-689.53 382.33,-689.53 841.8,-1149 1007.03,-1149 1084,-1225.97 1084,-1241 P2.14@1095.57,-1252.58
PF7: P2.13 U5.19 | length 1163
  Top Layer w6: U5.19@296.3,-607.38 340.92,-652 v1(341.97,-652)
  Bottom Layer w6: v1@341.97,-650 369.5,-677.53 387.3,-677.53 846.77,-1137 1012,-1137 1070,-1195 1145,-1195 P2.13@1194.57,-1244.58
PF8: P2.16 U5.20 | length 1003.6
  Top Layer w6: U5.20@310.22,-593.46 312.18,-593.46 375.72,-657 v1(378,-657)
  Bottom Layer w6: v1@383.53,-665.53 392.27,-665.53 851.75,-1125 1075,-1125 P2.16@1094.57,-1144.58
PF11: P2.36 U5.49 U7.30 | length 2672.1
  Top Layer w6: U5.49@365.9,-102.22 473.11,5 919.41,5 1069.41,-145 P2.36@1095,-145
  Bottom Layer w6: U7.30@583,1169 583,1188 619,1224 826.97,1224 890,1160.97 890,92.97 912,70.97 912,-96.03 960.97,-145 P2.36@1095,-145
PG9: P3.16 U5.124 | length 1163.6
  Top Layer w6: P3.16@-1260.43,-1139.57 -1260.43,-1130.43 -1220,-1090 -1120,-1090 -897.77,-867.77 -622.36,-867.77 U5.124@-334.14,-579.54
PG11: P3.14 U5.126 | length 1227
  Top Layer w6: P3.14@-1249.57,-1239.58 P3.14@-1260.43,-1239.58 -1210.85,-1190 -1140,-1190 -1065,-1115 -1065,-1114.72 -845.05,-894.77 -593.68,-894.77 U5.126@-306.3,-607.38
PG13: P3.12 U5.128 | length 1273.7
  Top Layer w6: P3.12@-1260.43,-1339.58 -1239.57,-1339.58 -1189,-1289 -1142.88,-1289 -773.88,-920 -563.24,-920 U5.128@-278.46,-635.22
PG14: P3.11 U5.129 | length 1194.5
  Top Layer w6: P3.11@-1160.43,-1339.58 -1160.43,-1325 -1161.91,-1325 -768.91,-932 -547.4,-932 -349,-733.6 -349,-731.72 -337.28,-720 -335.4,-720 U5.129@-264.54,-649.14
PG15: P3.10 U5.132 | length 1389
  Top Layer w6: P3.10@-1260.43,-1439.58 -1210.85,-1390 -1140,-1390 -1096.43,-1346.42 -1096.43,-1276.48 -848.94,-1029 -560.89,-1029 -472,-940.11 -472,-939.67 -223.23,-690.9 U5.132@-222.78,-690.9
RESET: C26.1 D1.1 JATG1.15 KEY1.2 R21.1 U5.25 U7.5 | length 7608.1
  Top Layer w6: v1@-1048,983 v1(-616,983) ; D1.1@-957,1184.03 -957,1231 -892.03,1231 -860,1263.03 -860,1335.56 -860.07,1335.63 -860.07,1381.93 -808.86,1433.14 KEY1.2@-792.57,1433.14 ; v1(345.5,-489.55) U5.25@379.82,-523.86 ; C26.1@819,-1212 868,-1212 ; R21.1@820,-1275 867,-1275 868,-1274 ; v1(868,-1329) 868,-1274 ; v1(870,-1072) 870,-1210 868,-1212 ; 868,-1274 868,-1212
  Bottom Layer w6: v1(-1048,984) -1048,1169 -985,1232 v1(-956,1232) ; U7.5@-617,1069 v1@-617,992 ; v1(-616,983) -616,991 v1@-617,992 ; v1(345.5,-489.55) 345.5,-490.5 870,-1015 v1(870,-1072) ; v1(868,-1329) 868,-1774 764,-1878 -121,-1878 -160,-1839 JATG1.15@-160,-1800 -210,-1750 -210,-1653 -250,-1613 -757,-1613 -829,-1541 -829,-1344 -978,-1195 -978,-770.72 -1018,-730.72 -1018,-151.17 -1017,-150.17 -1017,-108.83 -922,-13.83 -922,63.08 -825.08,160 -762.72,160 -617,305.72 v1@-617,992
RXD: P5.4 U3.3 | length 1605.2
  Top Layer w6: v1(-535,506) -535,527.97 -524,538.97 -524,539.25 -451.25,612 -344.97,612 -331.16,625.81 -331.16,820.16 -350,839 U3.3@-350,881.69
  Bottom Layer w6: P5.4@-805,-369 -839,-335 -839,61.23 -815.23,85 -712.83,85 -535,262.83 v1(-535,506)
SOCIN: C22.1 R16.2 U5.23 Y3.1 | length 789.8
  Top Layer w6: U5.23@351.98,-551.7 353.4,-551.7 655,-853.3 655,-890 612.18,-932.82 Y3.1@612.18,-982.18 ; C22.1@684,-1054 C22.1@685.6,-1052.4
  Top Layer w12: Y3.1@612.18,-982.18 C22.1@684,-1054 ; C22.1@685.6,-1052.4 R16.2@764.4,-973.59
SOCOUT: C23.1 R16.1 U5.24 Y3.2 | length 929.3
  Top Layer w6: U5.24@366.28,-537.78 638.5,-810 735,-810 Y3.2@817,-728 ; Y3.2@817,-762 Y3.2@817,-728 ; Y3.2@852.23,-692.77 Y3.2@817,-728
  Top Layer w12: R16.1@800.6,-937.4 896.5,-841.5 Y3.2@817,-762
TXD: P5.2 U3.2 | length 1510.1
  Top Layer w6: v1(-515,485) -515,531 -512,534 -512,534.28 -446.28,600 -340,600 -319.16,620.84 -319.16,819.84 -300,839 U3.2@-300,881.69
  Bottom Layer w6: P5.2@-790,-275 -790,-247 -824,-213 -824,59.25 -810.25,73 -707.86,73 -515,265.86 v1(-515,485)
USB_5V: SW1.2 USB_1.1 USB_2.1 | length 828.8
  Top Layer w15: USB_1.1@214,1532 214,1491 236,1469 521,1469 v1(522,1468) ; USB_2.1@636.01,1532.28 636.73,1531.55 636,1530.82 v1(636,1471) 731,1471 811.57,1551.57 SW1.2@900,1551.57
  Bottom Layer w15: v1(522,1468) v1@633,1468
VBAT: BAT1.1 U5.6 | length 893.3
  Top Layer w12: 82.01,-755 U5.6@115.35,-788.33
  Top Layer w15: BAT1.1@-455,-1275 -310,-1275 -8.53,-973.53 -8.53,-813.53 50,-755 82.01,-755
VDDA: C27.1 C28.1 P4.2 R30.1 U5.33 | length 852.2
  Top Layer w8: U5.33@491.17,-412.51 462,-383.34 462,-364 499,-327 592,-327 ; R30.1@742.59,-460.59 742.59,-426 ; P4.2@757,-253 666,-253 592,-327 ; C27.1@822.59,-460.59 822.59,-426.59 822,-426 ; C28.1@897.59,-460.59 897.59,-426 822,-426 ; 592,-327 594,-327 693,-426 742.59,-426 ; 742.59,-426 822,-426
VREF+: C40.1 P4.4 U5.32 | length 745.6
  Top Layer w6: U5.32@480.43,-426.43 U5.32@477.25,-426.43 449,-398.18 449,-354 489,-314 518,-314 705,-127 824.27,-127 857,-159.73 P4.4@857,-253 ; C40.1@800.59,-154 850,-154
pads on no net: "SD CARD.0" "SD CARD.9" "SD CARD.10" BAT1.0 JATG1.11 JATG1.17 JATG1.19 KEY1.1 KEY1.4 KEY2.2 KEY2.4 KEY3.2 KEY3.4 SW1.1 U3.9 U3.10 U3.11 U3.12 U3.15 U7.32 USB_1.4 USB_2.4 Y2.0

## Polygon pours and split planes (outlines as drawn)
GND on Bottom Layer "Bottom Layer-No Net" (solid, remove dead copper, pour order 2): -1384.31,1750.23 -1384.31,-2191.77 1317.2,-2191.77 1317.2,1750.23
GND on Top Layer "Bottom Layer-No Net" (solid, remove dead copper, pour order 4): -1382,1751 1320,1751 1320,-2195 1326,-2201 -1382,-2201

## Keep-outs
Keep-Out Layer:
  lines w5: -1380,-2040 -1380,1572.08 cw(c-1205.07,1572.08) -1205,1747.01 ; -1380,-2012.99 ccw(c-1205.07,-2013.06) -1205.07,-2187.99 ; -1220,1747.01 1145,1747.01 ; -1215,-2190 1135,-2190 ; 1135,-2187.92 ccw(c1135.07,-2012.99) 1310,-2012.99 ; 1135,1747.01 cw(c1135,1572.08) 1309.93,1572.01 ; 1310,-2025 1310,1572.01

## Silkscreen, mask and mechanical layers (free items; w line width, h text height)
Top Overlay:
  text "3.3V" at 1285,1360 h25 r90
  text "GND" at 1025,1355 h25 r90
  text "GND" at -1329,1300 h30 r90
  text "GND" at -1064,1300 h30 r90
  text "CS" at 1285,1280 h25 r90
  text "CE" at 1025,1275 h25 r90
  text "B1" at -1329,1230 h30 r90
  text "B0" at -1064,1230 h30 r90
  text "SCK" at 1027,1193 h25 r90
  text "MOSI" at 1285,1155 h25 r90
  text "3.3V" at -1329,1115 h30 r90
  text "3.3V" at -1064,1115 h30 r90
  text "IRQ" at 1285,1060 h25 r90
  text "MISO" at 1027,1058 h25 r90
  text "B12" at -1356,981 h25 r270
  text "B13" at -1091,981 h25 r270
  text "5V" at 1280,940 h25 r90
  text "GND" at 1020,925 h25 r90
  text "B14" at -1356,881 h25 r270
  text "B15" at -1091,881 h25 r270
  text "GND" at 1020,825 h25 r90
  text "3.3V" at 1280,825 h25 r90
  text "D8" at -1356,781 h25 r270
  text "D9" at -1091,776 h25 r270
  text "GND" at 1020,730 h25 r90
  text "3.3V" at 1280,730 h25 r90
  text "D10" at -1356,681 h25 r270
  text "D11" at -1091,681 h25 r270
  text "B11" at 1280,635 h25 r90
  text "B10" at 1020,625 h25 r90
  text "D12" at -1356,581 h25 r270
  text "D13" at -1091,581 h25 r270
  text "E14" at 1020,535 h25 r90
  text "E15" at 1280,535 h25 r90
  text "D15" at -1091,486 h25 r270
  text "D14" at -1356,481 h25 r270
  text "E13" at 1280,440 h25 r90
  text "E12" at 1020,435 h25 r90
  text "G3" at -1091,376 h25 r270
  text "G2" at -1356,371 h25 r270
  text "E10" at 1020,335 h25 r90
  text "E11" at 1280,335 h25 r90
  text "G4" at -1356,276 h25 r270
  text "G5" at -1091,276 h25 r270
  text "E9" at 1280,245 h25 r90
  text "E8" at 1020,240 h25 r90
  text "G6" at -1356,176 h25 r270
  text "G7" at -1091,176 h25 r270
  text "G1" at 1020,140 h25 r90
  text "E7" at 1280,140 h25 r90
  text "G8" at -1356,81 h25 r270
  text "C6" at -1091,76 h25 r270
  text "G0" at 1280,45 h25 r90
  text "F15" at 1020,35 h25 r90
  text "C8" at -1091,-19 h25 r270
  text "C7" at -1356,-24 h25 r270
  text "F13" at 1020,-70 h25 r90
  text "F14" at 1280,-70 h25 r90
  text "A8" at -1092,-120 h25 r270
  text "C9" at -1356,-124 h25 r270
  text "F11" at 1020,-165 h25 r90
  text "F12" at 1280,-165 h25 r90
  text "D+" at -1091,-224 h25 r270
  text "D-" at -1356,-229 h25 r270
  text "B1" at 1020,-260 h25 r90
  text "B2" at 1280,-260 h25 r90
  text "A12" at -1091,-309 h25 r270
  text "A11" at -1356,-319 h25 r270
  text "B0" at 1280,-355 h25 r90
  text "C5" at 1020,-360 h25 r90
  text "A13" at -1356,-414 h25 r270
  text "A14" at -1091,-414 h25 r270
  text "A7" at 1020,-460 h25 r90
  text "C4" at 1280,-460 h25 r90
  text "C10" at -1091,-514 h25 r270
  text "A15" at -1356,-519 h25 r270
  text "A5" at 1020,-560 h25 r90
  text "A6" at 1280,-560 h25 r90
  text "C12" at -1091,-609 h25 r270
  text "C11" at -1356,-619 h25 r270
  text "A4" at 1280,-655 h25 r90
  text "A3" at 1020,-660 h25 r90
  text "D0" at -1356,-724 h25 r270
  text "D1" at -1091,-724 h25 r270
  text "A1" at 1020,-755 h25 r90
  text "A2" at 1280,-760 h25 r90
  text "D2" at -1356,-824 h25 r270
  text "D3" at -1091,-824 h25 r270
  text "C3" at 1020,-855 h25 r90
  text "A0" at 1280,-855 h25 r90
  text "D4" at -1356,-919 h25 r270
  text "D5" at -1091,-919 h25 r270
  text "C2" at 1280,-955 h25 r90
  text "C1" at 1020,-963 h25 r90
  text "D6" at -1356,-1024 h25 r270
  text "D7" at -1091,-1024 h25 r270
  text "C0" at 1280,-1050 h25 r90
  text "F10" at 1020,-1065 h25 r90
  text "G10" at -1091,-1109 h25 r270
  text "G9" at -1356,-1119 h25 r270
  text "F8" at 1020,-1160 h25 r90
  text "F9" at 1280,-1160 h25 r90
  text "G12" at -1091,-1209 h25 r270
  text "G11" at -1356,-1219 h25 r270
  text "F7" at 1280,-1255 h25 r90
  text "F6" at 1020,-1260 h25 r90
  text "G14" at -1091,-1309 h25 r270
  text "G13" at -1356,-1314 h25 r270
  text "F4" at 1020,-1355 h25 r90
  text "F5" at 1280,-1360 h25 r90
  text "G15" at -1356,-1419 h25 r270
  text "B3" at -1091,-1424 h25 r270
  text "F2" at 1020,-1455 h25 r90
  text "F3" at 1280,-1455 h25 r90
  text "B4" at -1356,-1519 h25 r270
  text "B5" at -1091,-1524 h25 r270
  text "F0" at 1020,-1560 h25 r90
  text "F1" at 1280,-1560 h25 r90
  text "B6" at -1356,-1619 h25 r270
  text "B7" at -1091,-1624 h25 r270
  text "E6" at 1020,-1655 h25 r90
  text "C13" at 1280,-1665 h25 r90
  text "B8" at -1356,-1719 h25 r270
  text "B9" at -1091,-1724 h25 r270
  text "E4" at 1020,-1760 h25 r90
  text "E5" at 1280,-1760 h25 r90
  text "E0" at -1356,-1824 h25 r270
  text "E1" at -1091,-1824 h25 r270
  text "E2" at 1020,-1860 h25 r90
  text "E3" at 1280,-1860 h25 r90
Bottom Overlay:
  drawing of 937 lines, arcs and shapes, not listed
  text "VihonPE" at 240,256 h70

## Text inside footprints (layer, text, board x,y; h text height)
"SD CARD": Top Overlay "k" at 320,-1725 h30; Top Overlay "8" at 360,-1725 h30; Top Overlay "7" at 404,-1726 h30; Top Overlay "6" at 447,-1724 h30; Top Overlay "5" at 492.98,-1725 h30; Top Overlay "4" at 533,-1725 h30; Top Overlay "3" at 578,-1725 h30; Top Overlay "2" at 619,-1725 h30; Top Overlay "1" at 666.98,-1725 h30